# Altium PCB as_x31.PcbDoc (part 1 of 5) (continued)
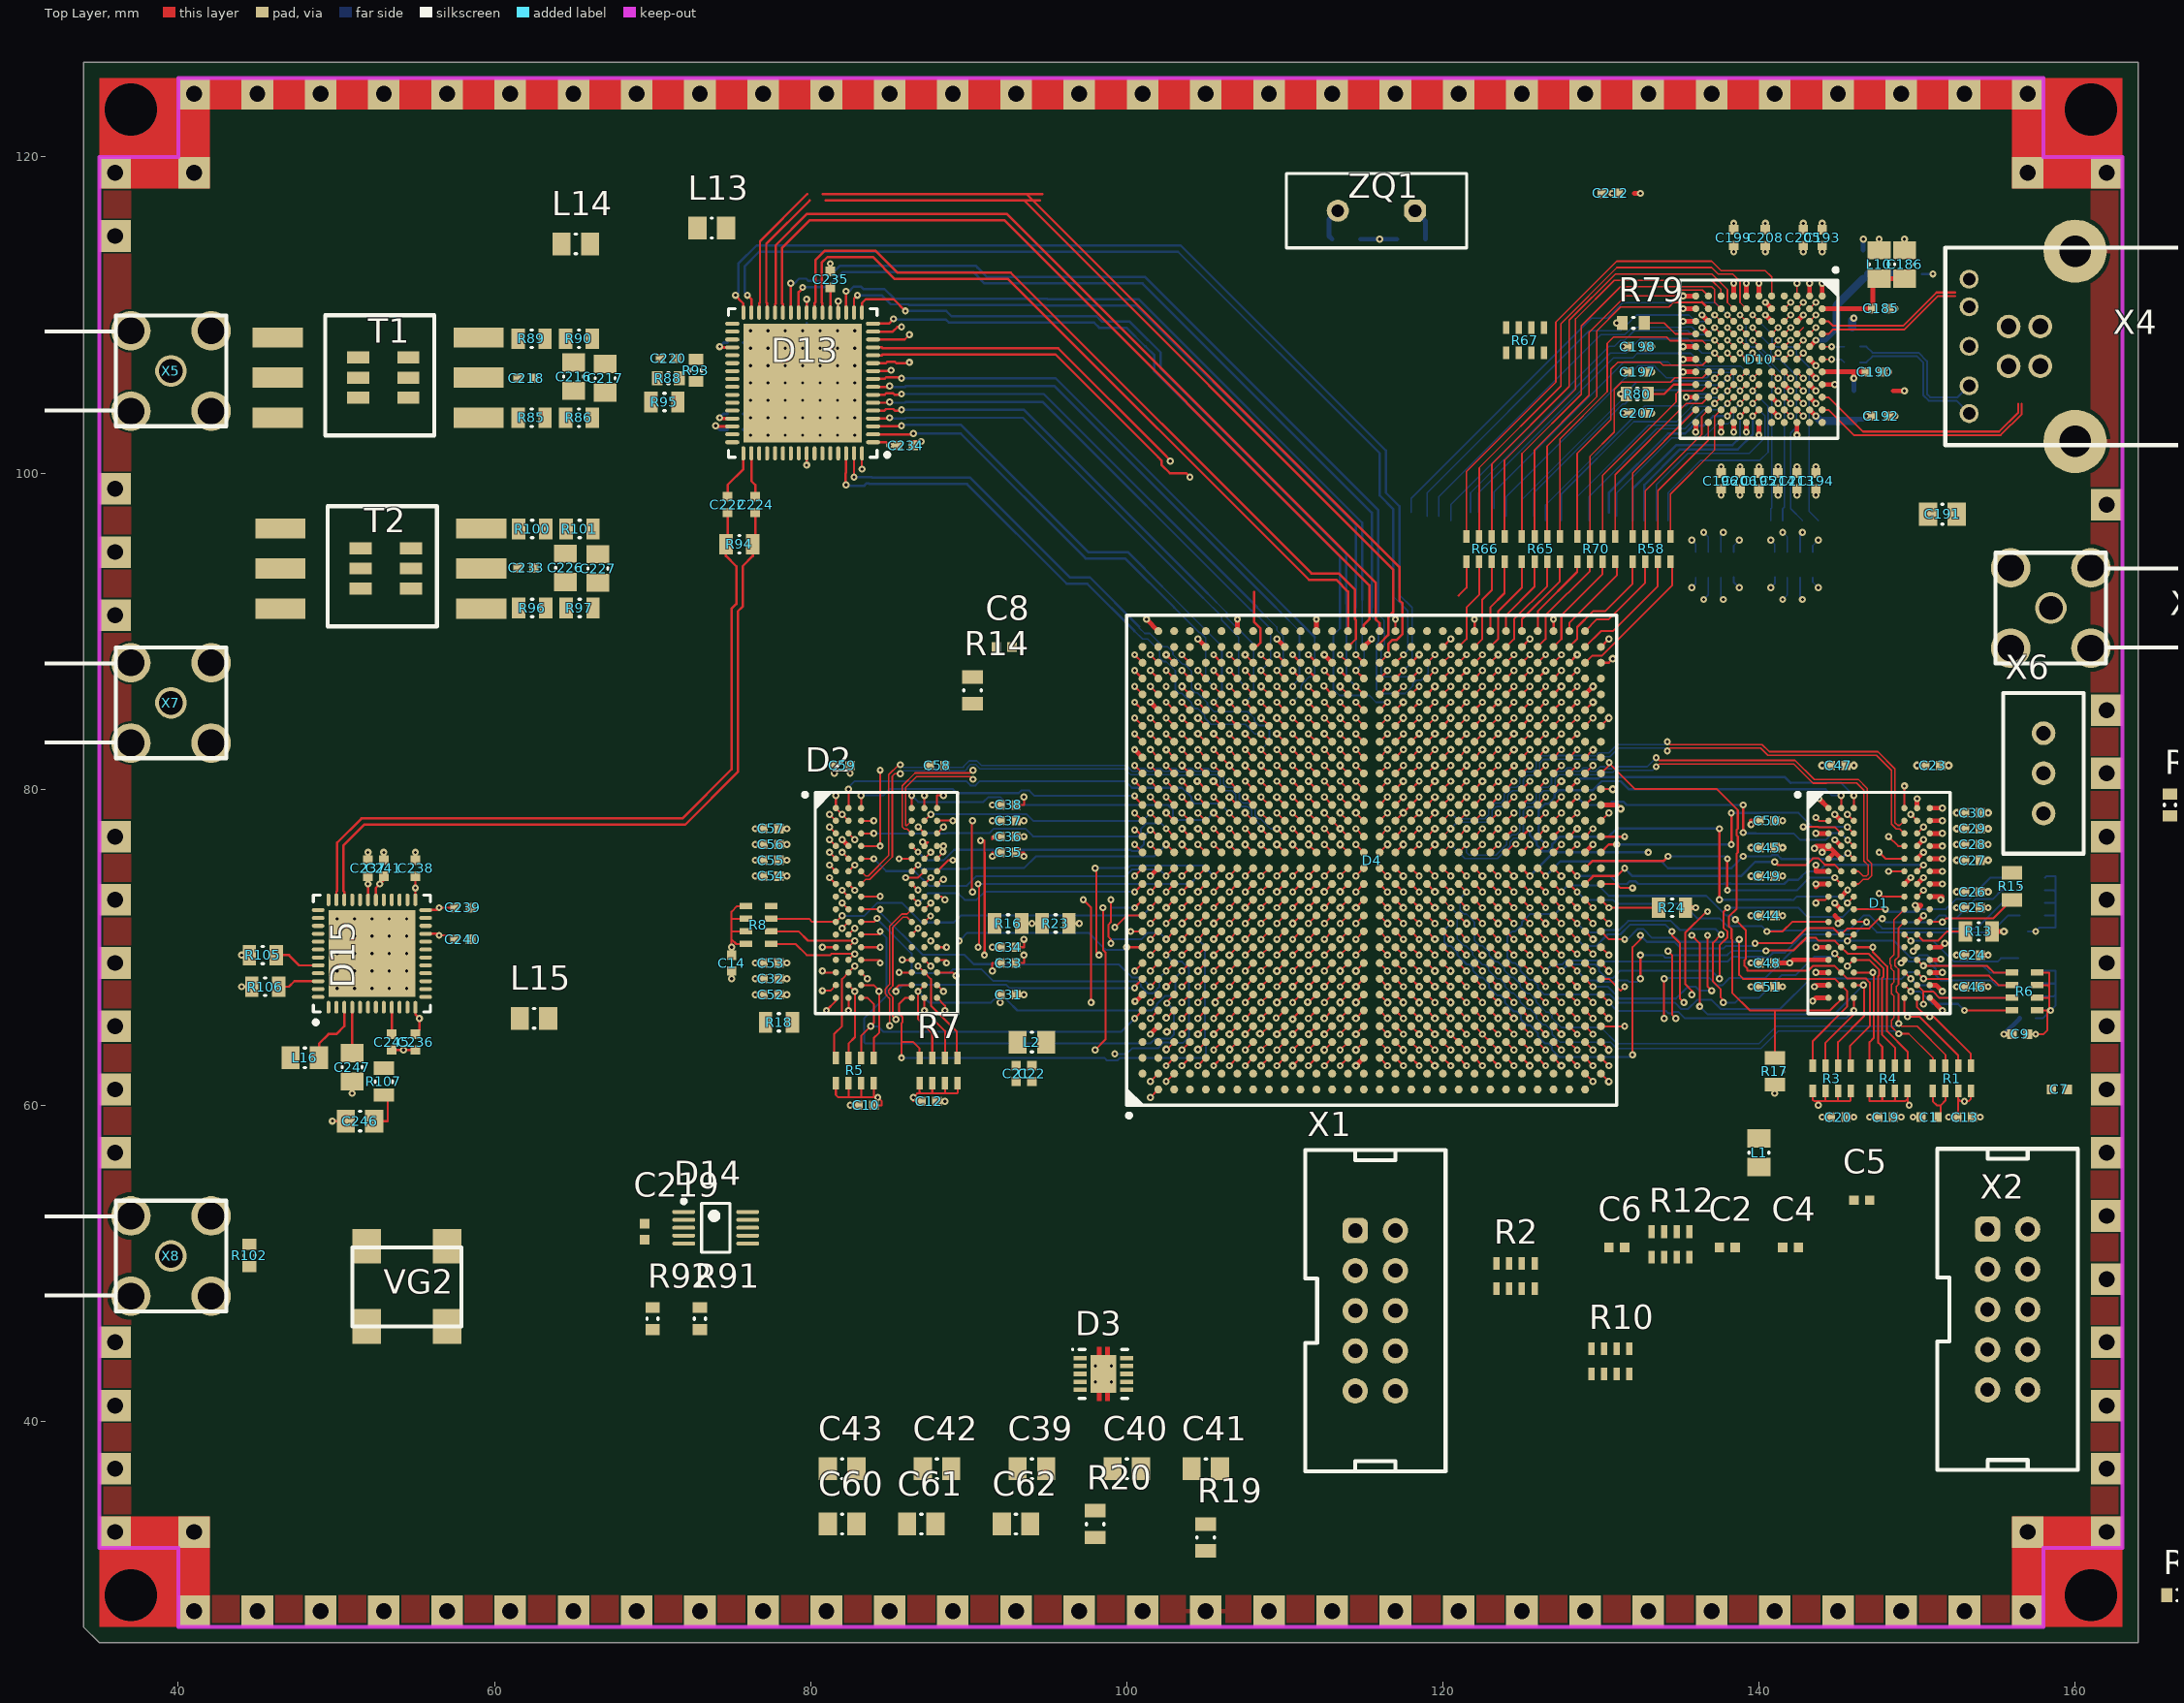
[diagram p0: Top Layer view]
## Classes and differential pairs (continued)
component class as14120_x31_usb: C179 C180 C181 C182 C183 C184 C185 C186 C187 C188 C189 C190 C191 C192 C193 C194 C195 C196 C197 C198 C199 C200 C201 C202 C203 C204 C205 C206 C207 C208 C209 C210 C211 C212 C213 C214 D10 D11 D12 L10 L11 L12 R57 R58 R59 R60 R61 R62 R63 R64 R65 R66 R67 R68 R69 R70 R71 R72 R73 R74 R75 R76 R77 R78 R79 R80 R81 R82 R83 R84 R108 R109 VG1 X4 ZQ1
differential pair class adc: D_ADC_CLK_ D_ADC_D0_ D_ADC_D1_ D_ADC_D2_ D_ADC_D3_ D_ADC_D4_ D_ADC_D5_ D_ADC_D6_ D_ADC_D7_ D_ADC_D8_ D_ADC_D9_ D_ADC_D10_ D_ADC_D11_ D_ADC_D12_ D_ADC_D13_ D_ADC_DCO_
net class power: 0V 0VA 12V V0P75D V1P1D V1P2D V1P5D V1P8A V1P8D V1P8DVDD V2P5D V3P3D VCC_AUX VCCPGM VREF VREFDDR0 VREFDDR1
component class "Room Definition 1": D4
component class "Room Definition 2": D10
differential pair SS_RX: +SS_RX_P -SS_RX_N
differential pair SS_TX: +SS_TX_P -SS_TX_N
differential pair USB: +USB_P -USB_N
differential pair D_USB_: +USB_P -USB_N
differential pair D_SS_TX_: +SS_TX_P -SS_TX_N
differential pair D_SS_RX_: +SS_RX_P -SS_RX_N
differential pair D_DDR1_DQS1_: +DDR1_DQS1_P -DDR1_DQS1_N
differential pair D_DDR1_DQS0_: +DDR1_DQS0_P -DDR1_DQS0_N
differential pair D_DDR1_CK_: +DDR1_CK_P -DDR1_CK_N
differential pair D_DDR0_DQS1_: +DDR0_DQS1_P -DDR0_DQS1_N
differential pair D_DDR0_DQS0_: +DDR0_DQS0_P -DDR0_DQS0_N
differential pair D_DDR0_CK_: +DDR0_CK_P -DDR0_CK_N
differential pair D_ADC_DCO_: +ADC_DCO_P -ADC_DCO_N
differential pair D_ADC_D13_: +ADC_D13_P -ADC_D13_N
differential pair D_ADC_D12_: +ADC_D12_P -ADC_D12_N
differential pair D_ADC_D11_: +ADC_D11_P -ADC_D11_N
differential pair D_ADC_D10_: +ADC_D10_P -ADC_D10_N
differential pair D_ADC_D9_: +ADC_D9_P -ADC_D9_N
differential pair D_ADC_D8_: +ADC_D8_P -ADC_D8_N
differential pair D_ADC_D7_: +ADC_D7_P -ADC_D7_N
differential pair D_ADC_D6_: +ADC_D6_P -ADC_D6_N
differential pair D_ADC_D5_: +ADC_D5_P -ADC_D5_N
differential pair D_ADC_D4_: +ADC_D4_P -ADC_D4_N
differential pair D_ADC_D3_: +ADC_D3_P -ADC_D3_N
differential pair D_ADC_D2_: +ADC_D2_P -ADC_D2_N
differential pair D_ADC_D1_: +ADC_D1_P -ADC_D1_N
differential pair D_ADC_D0_: +ADC_D0_P -ADC_D0_N
differential pair D_ADC_CLK_: +ADC_CLK_P -ADC_CLK_N

## Components (designator, comment, footprint, x,y, rotation, side; value= is the part's Value field where it differs from the comment)
C1 "CAP 1uF 10V 0402(1005)" CAPC0402(1005)60_M 150.75,59.25 r0 top
C2 "CAP 1uF 10V 0402(1005)" CAPC0402(1005)60_M 138,51 r0 top
C3 "CAP 1uF 10V 0402(1005)" CAPC0402(1005)60_M 156.5,71 r180 bottom
C4 "CAP 1uF 10V 0402(1005)" CAPC0402(1005)60_M 142,51 r0 top
C5 "CAP 1uF 10V 0402(1005)" CAPC0402(1005)60_M 146.5,54 r0 top
C6 "CAP 1uF 10V 0402(1005)" CAPC0402(1005)60_M 131,51 r0 top
C7 "CAP 1uF 10V 0402(1005)" CAPC0402(1005)60_M 159,61 r0 top
C8 "CAP 1uF 10V 0402(1005)" CAPC0402(1005)60_M 92.25,89 r0 top
C9 "CAP 1uF 10V 0402(1005)" CAPC0402(1005)60_M 156.5,64.5 r180 top
C10 "CAP 1uF 10V 0402(1005)" CAPC0402(1005)60_M 83.5,60 r180 top
C11 "CAP 1uF 10V 0402(1005)" CAPC0402(1005)60_M 157,65.5 r180 bottom
C12 "CAP 1uF 10V 0402(1005)" CAPC0402(1005)60_M 87.5,60.25 r0 top
C13 "CAP 1uF 10V 0402(1005)" CAPC0402(1005)60_M 153,59.25 r0 top
C14 "CAP 1uF 10V 0402(1005)" CAPC0402(1005)60_M 75,69 r270 top
C15 "CAP 1uF 10V 0402(1005)" CAPC0402(1005)60_M 134.5,20 r0 top
C16 "CAP 1uF 10V 0402(1005)" CAPC0402(1005)60_M 140.5,20 r0 top
C17 "CAP 1uF 10V 0402(1005)" CAPC0402(1005)60_M 123.5,20 r0 top
C18 "CAP 1uF 10V 0402(1005)" CAPC0402(1005)60_M 129.5,20 r0 top
C19 "CAP 1uF 10V 0402(1005)" CAPC0402(1005)60_M 148,59.25 r0 top
C20 "CAP 1uF 10V 0402(1005)" CAPC0402(1005)60_M 145,59.25 r180 top
C21 "CAP 1uF 10V 0402(1005)" CAPC0402(1005)60_M 93,62 r90 top
C22 "CAP 1uF 10V 0402(1005)" CAPC0402(1005)60_M 94,62 r90 top
C23 "CAP 1uF 10V 0402(1005)" CAPC0402(1005)60_M 151,81.5 r180 top
C24 "CAP 1uF 10V 0402(1005)" CAPC0402(1005)60_M 153.5,69.5 r180 top
C25 "CAP 1uF 10V 0402(1005)" CAPC0402(1005)60_M 153.5,72.5 r180 top
C26 "CAP 1uF 10V 0402(1005)" CAPC0402(1005)60_M 153.5,73.5 r180 top
C27 "CAP 1uF 10V 0402(1005)" CAPC0402(1005)60_M 153.5,75.5 r180 top
C28 "CAP 1uF 10V 0402(1005)" CAPC0402(1005)60_M 153.5,76.5 r180 top
C29 "CAP 1uF 10V 0402(1005)" CAPC0402(1005)60_M 153.5,77.5 r180 top
C30 "CAP 1uF 10V 0402(1005)" CAPC0402(1005)60_M 153.5,78.5 r180 top
C31 "CAP 1uF 10V 0402(1005)" CAPC0402(1005)60_M 92.5,67 r180 top
C32 "CAP 1uF 10V 0402(1005)" CAPC0402(1005)60_M 77.5,68 r0 top
C33 "CAP 1uF 10V 0402(1005)" CAPC0402(1005)60_M 92.5,69 r180 top
C34 "CAP 1uF 10V 0402(1005)" CAPC0402(1005)60_M 92.5,70 r180 top
C35 "CAP 1uF 10V 0402(1005)" CAPC0402(1005)60_M 92.5,76 r180 top
C36 "CAP 1uF 10V 0402(1005)" CAPC0402(1005)60_M 92.5,77 r180 top
C37 "CAP 1uF 10V 0402(1005)" CAPC0402(1005)60_M 92.5,78 r180 top
C38 "CAP 1uF 10V 0402(1005)" CAPC0402(1005)60_M 92.5,79 r180 top
C39 "CAP_0805" CAPC0805(2012)100_N 94,37 r0 top
C40 "CAP_0805" CAPC0805(2012)100_N 100,37 r0 top
C41 "CAP_0805" CAPC0805(2012)100_N 105,37 r0 top
C42 "CAP_0805" CAPC0805(2012)100_N 88,37 r0 top
C43 "CAP_0805" CAPC0805(2012)100_N 82,37 r0 top
C44 "CAP 1uF 10V 0402(1005)" CAPC0402(1005)60_M 140.5,72 r0 top
C45 "CAP 1uF 10V 0402(1005)" CAPC0402(1005)60_M 140.5,76.3 r0 top
C46 "CAP 1uF 10V 0402(1005)" CAPC0402(1005)60_M 153.5,67.5 r180 top
C47 "CAP 1uF 10V 0402(1005)" CAPC0402(1005)60_M 145,81.5 r180 top
C48 "CAP 1uF 10V 0402(1005)" CAPC0402(1005)60_M 140.5,69 r0 top
C49 "CAP 1uF 10V 0402(1005)" CAPC0402(1005)60_M 140.5,74.5 r0 top
C50 "CAP 1uF 10V 0402(1005)" CAPC0402(1005)60_M 140.5,78 r0 top
C51 "CAP 1uF 10V 0402(1005)" CAPC0402(1005)60_M 140.5,67.5 r0 top
C52 "CAP 1uF 10V 0402(1005)" CAPC0402(1005)60_M 77.5,67 r0 top
C53 "CAP 1uF 10V 0402(1005)" CAPC0402(1005)60_M 77.5,69 r0 top
C54 "CAP 1uF 10V 0402(1005)" CAPC0402(1005)60_M 77.5,74.5 r180 top
C55 "CAP 1uF 10V 0402(1005)" CAPC0402(1005)60_M 77.5,75.5 r180 top
C56 "CAP 1uF 10V 0402(1005)" CAPC0402(1005)60_M 77.5,76.5 r180 top
C57 "CAP 1uF 10V 0402(1005)" CAPC0402(1005)60_M 77.5,77.5 r180 top
C58 "CAP 1uF 10V 0402(1005)" CAPC0402(1005)60_M 88,81.5 r180 top
C59 "CAP 1uF 10V 0402(1005)" CAPC0402(1005)60_M 82,81.5 r180 top
C60 "CAP_0805" CAPC0805(2012)100_N 82,33.5 r0 top
C61 "CAP_0805" CAPC0805(2012)100_N 87,33.5 r0 top
C62 "CAP_0805" CAPC0805(2012)100_N 93,33.5 r0 top
C63 "CAP 1uF 10V 0402(1005)" CAPC0402(1005)60_M 282.5,82.5 r90 top
C64 "CAP 1uF 10V 0402(1005)" CAPC0402(1005)60_M 201.25,75.5 r90 top
C65 "CAP 1uF 10V 0402(1005)" CAPC0402(1005)60_M 207.25,75.5 r90 top
C66 "CAP 1uF 10V 0402(1005)" CAPC0402(1005)60_M 212.25,75.5 r90 top
C67 "CAP 1uF 10V 0402(1005)" CAPC0402(1005)60_M 218.25,75.5 r90 top
C68 "CAP 1uF 10V 0402(1005)" CAPC0402(1005)60_M 224.25,75.5 r90 top
C69 "CAP 1uF 10V 0402(1005)" CAPC0402(1005)60_M 230.25,75.5 r90 top
C70 "CAP 1uF 10V 0402(1005)" CAPC0402(1005)60_M 236.25,75.5 r90 top
C71 "CAP 1uF 10V 0402(1005)" CAPC0402(1005)60_M 242.25,76.5 r0 top
C72 "CAP 1uF 10V 0402(1005)" CAPC0402(1005)60_M 247.25,75.5 r90 top
C73 "CAP 1uF 10V 0402(1005)" CAPC0402(1005)60_M 253.25,75.5 r90 top
C74 "CAP 1uF 10V 0402(1005)" CAPC0402(1005)60_M 259.25,75.5 r90 top
C75 "CAP 1uF 10V 0402(1005)" CAPC0402(1005)60_M 213.5,82.5 r90 top
C76 "CAP 1uF 10V 0402(1005)" CAPC0402(1005)60_M 219.5,82.5 r90 top
C77 "CAP 1uF 10V 0402(1005)" CAPC0402(1005)60_M 225.5,82.5 r90 top
C78 "CAP 1uF 10V 0402(1005)" CAPC0402(1005)60_M 230.5,82.5 r90 top
C79 "CAP 1uF 10V 0402(1005)" CAPC0402(1005)60_M 236.5,82.5 r90 top
C80 "CAP 1uF 10V 0402(1005)" CAPC0402(1005)60_M 242.5,82.5 r90 top
C81 "CAP 1uF 10V 0402(1005)" CAPC0402(1005)60_M 248.5,83.5 r0 top
C82 "CAP 1uF 10V 0402(1005)" CAPC0402(1005)60_M 274.75,89 r90 top
C83 "CAP 1uF 10V 0402(1005)" CAPC0402(1005)60_M 280.75,89 r90 top
C84 "CAP 1uF 10V 0402(1005)" CAPC0402(1005)60_M 286.75,89 r90 top
C85 "CAP 1uF 10V 0402(1005)" CAPC0402(1005)60_M 196.5,82.5 r90 top
C86 "CAP 1uF 10V 0402(1005)" CAPC0402(1005)60_M 202.5,82.5 r90 top
C87 "CAP 1uF 10V 0402(1005)" CAPC0402(1005)60_M 228.75,89 r90 top
C88 "CAP 1uF 10V 0402(1005)" CAPC0402(1005)60_M 233.75,89 r90 top
C89 "CAP 1uF 10V 0402(1005)" CAPC0402(1005)60_M 239.75,89 r90 top
C90 "CAP 1uF 10V 0402(1005)" CAPC0402(1005)60_M 245.75,89 r90 top
C91 "CAP 1uF 10V 0402(1005)" CAPC0402(1005)60_M 252.75,90 r0 top
C92 "CAP 1uF 10V 0402(1005)" CAPC0402(1005)60_M 256.75,89 r90 top
C93 "CAP 1uF 10V 0402(1005)" CAPC0402(1005)60_M 262.75,89 r90 top
C94 "CAP 1uF 10V 0402(1005)" CAPC0402(1005)60_M 268.75,89 r90 top
C95 "CAP 1uF 10V 0402(1005)" CAPC0402(1005)60_M 211.75,89 r90 top
C96 "CAP 1uF 10V 0402(1005)" CAPC0402(1005)60_M 217.75,89 r90 top
C97 "CAP 1uF 10V 0402(1005)" CAPC0402(1005)60_M 249,97.25 r90 top
C98 "CAP 1uF 10V 0402(1005)" CAPC0402(1005)60_M 192.75,89 r90 top
C99 "CAP 1uF 10V 0402(1005)" CAPC0402(1005)60_M 198.75,89 r90 top
C100 "CAP 1uF 10V 0402(1005)" CAPC0402(1005)60_M 204.75,89 r90 top
C101 "CAP 1uF 10V 0402(1005)" CAPC0402(1005)60_M 221,97.25 r90 top
C102 "CAP 1uF 10V 0402(1005)" CAPC0402(1005)60_M 227,97.25 r90 top
C103 "CAP 1uF 10V 0402(1005)" CAPC0402(1005)60_M 234,97.25 r90 top
C104 "CAP 1uF 10V 0402(1005)" CAPC0402(1005)60_M 241,97.25 r90 top
C105 "CAP 1uF 10V 0402(1005)" CAPC0402(1005)60_M 192,97.25 r90 top
C106 "CAP 1uF 10V 0402(1005)" CAPC0402(1005)60_M 199,97.25 r90 top
C107 "CAP 1uF 10V 0402(1005)" CAPC0402(1005)60_M 206,97.25 r90 top
C108 "CAP 1uF 10V 0402(1005)" CAPC0402(1005)60_M 213,97.25 r90 top
C109 "CAP 1uF 10V 0402(1005)" CAPC0402(1005)60_M 276.25,104 r90 top
C110 "CAP 1uF 10V 0402(1005)" CAPC0402(1005)60_M 283.25,104 r90 top
C111 "CAP 1uF 10V 0402(1005)" CAPC0402(1005)60_M 228.25,104 r90 top
C112 "CAP 1uF 10V 0402(1005)" CAPC0402(1005)60_M 235.25,104 r90 top
C113 "CAP 1uF 10V 0402(1005)" CAPC0402(1005)60_M 242.25,104 r90 top
C114 "CAP 1uF 10V 0402(1005)" CAPC0402(1005)60_M 248.25,104 r90 top
C115 "CAP 1uF 10V 0402(1005)" CAPC0402(1005)60_M 255.25,104 r90 top
C116 "CAP 1uF 10V 0402(1005)" CAPC0402(1005)60_M 262.25,104 r90 top
C117 "CAP 1uF 10V 0402(1005)" CAPC0402(1005)60_M 269.25,104 r90 top
C118 "CAP 1uF 10V 0402(1005)" CAPC0402(1005)60_M 215.25,104 r90 top
C119 "CAP 1uF 10V 0402(1005)" CAPC0402(1005)60_M 222.25,104 r90 top
C120 "CAP 1uF 10V 0402(1005)" CAPC0402(1005)60_M 201.25,104 r90 top
C121 "CAP 1uF 10V 0402(1005)" CAPC0402(1005)60_M 208.25,104 r90 top
C122 "CAP 1uF 10V 0402(1005)" CAPC0402(1005)60_M 251,112 r90 top
C123 "CAP 1uF 10V 0402(1005)" CAPC0402(1005)60_M 258,112 r90 top
C124 "CAP 1uF 10V 0402(1005)" CAPC0402(1005)60_M 265,112 r90 top
C125 "CAP 1uF 10V 0402(1005)" CAPC0402(1005)60_M 272,112 r90 top
C126 "CAP 1uF 10V 0402(1005)" CAPC0402(1005)60_M 279,112 r90 top
C127 "CAP 1uF 10V 0402(1005)" CAPC0402(1005)60_M 287,112 r90 top
C128 "CAP 1uF 10V 0402(1005)" CAPC0402(1005)60_M 180.25,104 r90 top
C129 "CAP 1uF 10V 0402(1005)" CAPC0402(1005)60_M 187.25,104 r90 top
C130 "CAP 1uF 10V 0402(1005)" CAPC0402(1005)60_M 194.25,104 r90 top
C131 "CAP 1uF 10V 0402(1005)" CAPC0402(1005)60_M 223,112 r90 top
C132 "CAP 1uF 10V 0402(1005)" CAPC0402(1005)60_M 230,112 r90 top
C133 "CAP 1uF 10V 0402(1005)" CAPC0402(1005)60_M 237,112 r90 top
C134 "CAP 1uF 10V 0402(1005)" CAPC0402(1005)60_M 244,112 r90 top
C135 "CAP 1uF 10V 0402(1005)" CAPC0402(1005)60_M 195,112 r90 top
C136 "CAP 1uF 10V 0402(1005)" CAPC0402(1005)60_M 202,112 r90 top
C137 "CAP 1uF 10V 0402(1005)" CAPC0402(1005)60_M 209,112 r90 top
C138 "CAP 1uF 10V 0402(1005)" CAPC0402(1005)60_M 216,112 r90 top
C139 "CAP 1uF 10V 0402(1005)" CAPC0402(1005)60_M 177,118 r90 top
C140 "CAP 1uF 10V 0402(1005)" CAPC0402(1005)60_M 174,112 r90 top
C141 "CAP 1uF 10V 0402(1005)" CAPC0402(1005)60_M 181,112 r90 top
C142 "CAP 1uF 10V 0402(1005)" CAPC0402(1005)60_M 188,112 r90 top
C143 "AVX_D" AVX_D 563,164 r90 top
C144 "CAP_0805" CAPC0805(2012)100_N 527,171 r90 top
C145 "CAP_0805" CAPC0805(2012)100_N 534,171 r90 top
C146 "CAP_0805" CAPC0805(2012)100_N 541,171 r90 top
C147 "CAP_0805" CAPC0805(2012)100_N 548,171 r90 top
C148 "CAP_0805" CAPC0805(2012)100_N 555,171 r90 top
C149 "avx_b" avx_b 513,168 r90 top
C150 "avx_b" avx_b 520,168 r90 top
C151 "CAP_0805" CAPC0805(2012)100_N 491,171 r90 top
C152 "AVX_D" AVX_D 485,164 r90 top
C153 "avx_b" avx_b 441,168 r90 top
C154 "avx_b" avx_b 448,168 r90 top
C155 "avx_b" avx_b 455,168 r90 top
C156 "avx_b" avx_b 426,168 r90 top
C157 "CAP_0805" CAPC0805(2012)100_N 397,171 r90 top
C158 "CAP_0805" CAPC0805(2012)100_N 404,171 r90 top
C159 "CAP_0805" CAPC0805(2012)100_N 411,171 r90 top
C160 "CAP_0805" CAPC0805(2012)100_N 418,171 r90 top
C161 "CAP_0805" CAPC0805(2012)100_N 384,171 r90 top
C162 "CAP_0805" CAPC0805(2012)100_N 370,171 r90 top
C163 "CAP_0805" CAPC0805(2012)100_N 377,171 r90 top
C164 "CAP_0805" CAPC0805(2012)100_N 332,171 r90 top
C165 "CAP_0805" CAPC0805(2012)100_N 339,171 r90 top
C166 "CAP_0805" CAPC0805(2012)100_N 325,171 r90 top
C167 "CAP_0805" CAPC0805(2012)100_N 299,171 r90 top
C168 "avx_b" avx_b 286,168 r90 top
C169 "avx_b" avx_b 293,168 r90 top
C170 "CAP_0805" CAPC0805(2012)100_N 264,171 r90 top
C171 "CAP_0805" CAPC0805(2012)100_N 250,171 r90 top
C172 "CAP_0805" CAPC0805(2012)100_N 256,171 r90 top
C173 "avx_b" avx_b 211,168 r90 top
C174 "avx_b" avx_b 218,168 r90 top
C175 "avx_b" avx_b 225,168 r90 top
C176 "avx_b" avx_b 232,168 r90 top
C177 "CAP_0805" CAPC0805(2012)100_N 203,171 r90 top
C178 "CAP_0805" CAPC0805(2012)100_N 182,168 r90 top
C179 "CAP 1uF 10V 0402(1005)" CAPC0402(1005)60_M 577.5,183.5 r90 top
C180 "CAP 1uF 10V 0402(1005)" CAPC0402(1005)60_M 145.9,108 r180 bottom
C181 "CAP 1uF 10V 0402(1005)" CAPC0402(1005)60_M 145.9,107 r180 bottom
C182 "CAP_0805" CAPC0805(2012)100_N 118,114.8 r0 bottom
C183 "CAP_0805" CAPC0805(2012)100_N 113.9,114.8 r180 bottom
C184 "CAP_0805" CAPC0805(2012)100_N 427,196 r90 top
C185 "CAP 1uF 10V 0402(1005)" CAPC0402(1005)60_M 147.7,110.4 r180 top
C186 "CAP_0805" CAPC0805(2012)100_N 149.2,113.2 r270 top
C187 "CAP 1uF 10V 0402(1005)" CAPC0402(1005)60_M 394,196 r90 top
C188 "CAP 1uF 10V 0402(1005)" CAPC0402(1005)60_M 145.4,109.2 r180 bottom
C189 "CAP_0805" CAPC0805(2012)100_N 149.4,112.6 r180 bottom
C190 "CAP 1uF 10V 0402(1005)" CAPC0402(1005)60_M 147.3,106.4 r180 top
C191 "CAP_0805" CAPC0805(2012)100_N 151.6,97.4 r180 top
C192 "CAP 1uF 10V 0402(1005)" CAPC0402(1005)60_M 147.7,103.6 r180 top
C193 "CAP 1uF 10V 0402(1005)" CAPC0402(1005)60_M 144,114.9 r270 top
C194 "CAP 1uF 10V 0402(1005)" CAPC0402(1005)60_M 143.6,99.5 r90 top
C195 "CAP 1uF 10V 0402(1005)" CAPC0402(1005)60_M 140,99.5 r90 top
C196 "CAP 1uF 10V 0402(1005)" CAPC0402(1005)60_M 137.6,99.5 r90 top
C197 "CAP 1uF 10V 0402(1005)" CAPC0402(1005)60_M 132.3,106.4 r0 top
C198 "CAP 1uF 10V 0402(1005)" CAPC0402(1005)60_M 132.3,108 r0 top
C199 "CAP 1uF 10V 0402(1005)" CAPC0402(1005)60_M 138.4,114.9 r270 top
C200 "CAP 1uF 10V 0402(1005)" CAPC0402(1005)60_M 323,196 r90 top
C201 "CAP 1uF 10V 0402(1005)" CAPC0402(1005)60_M 331,196 r90 top
C202 "CAP 1uF 10V 0402(1005)" CAPC0402(1005)60_M 239,196 r90 top
C203 "CAP 1uF 10V 0402(1005)" CAPC0402(1005)60_M 246,196 r90 top
C204 "CAP 1uF 10V 0402(1005)" CAPC0402(1005)60_M 253,196 r90 top
C205 "CAP 1uF 10V 0402(1005)" CAPC0402(1005)60_M 142.8,114.9 r270 top
C206 "CAP 1uF 10V 0402(1005)" CAPC0402(1005)60_M 138.8,99.5 r90 top
C207 "CAP 1uF 10V 0402(1005)" CAPC0402(1005)60_M 132.3,103.8 r0 top
C208 "CAP 1uF 10V 0402(1005)" CAPC0402(1005)60_M 140.4,114.9 r270 top
C209 "CAP 1uF 10V 0402(1005)" CAPC0402(1005)60_M 133.2,129.6 r90 top
C210 "CAP 1uF 10V 0402(1005)" CAPC0402(1005)60_M 141.2,129.6 r90 top
C211 "CAP 1uF 10V 0402(1005)" CAPC0402(1005)60_M 148.2,129.6 r90 top
C212 "CAP 1uF 10V 0402(1005)" CAPC0402(1005)60_M 130.6,117.7 r180 top
C213 "CAP 1uF 10V 0402(1005)" CAPC0402(1005)60_M 142.4,99.5 r90 top
C214 "CAP 1uF 10V 0402(1005)" CAPC0402(1005)60_M 141.2,99.5 r90 top
C215 "CAP 1uF 10V 0402(1005)" CAPC0402(1005)60_M 41.5,106.5 r0 bottom
C216 "CAP_0805" CAPC0805(2012)100_N 65,106.1 r270 top
C217 "CAP_0805" CAPC0805(2012)100_N 67,106 r270 top
C218 "CAP 1uF 10V 0402(1005)" CAPC0402(1005)60_M 62,106 r0 top
C219 "CAP 1uF 10V 0402(1005)" CAPC0402(1005)60_M 69.5,52 r90 top
C220 "CAP 1uF 10V 0402(1005)" CAPC0402(1005)60_M 71,107.25 r180 top
C221 "CAP 1uF 10V 0402(1005)" CAPC0402(1005)60_M 138,141.5 r90 top
C222 "CAP 1uF 10V 0402(1005)" CAPC0402(1005)60_M 74.75,98 r90 top
C223 "CAP 1uF 10V 0402(1005)" CAPC0402(1005)60_M 116,141.5 r90 top
C224 "CAP 1uF 10V 0402(1005)" CAPC0402(1005)60_M 76.5,98 r90 top
C225 "CAP 1uF 10V 0402(1005)" CAPC0402(1005)60_M 41.54,85.46 r0 bottom
C226 "CAP_0805" CAPC0805(2012)100_N 64.5,94 r270 top
C227 "CAP_0805" CAPC0805(2012)100_N 66.54,93.96 r270 top
C228 "CAP 1uF 10V 0402(1005)" CAPC0402(1005)60_M 79.75,110 r90 bottom
C229 "CAP 1uF 10V 0402(1005)" CAPC0402(1005)60_M 79.75,101.5 r270 bottom
C230 "CAP 1uF 10V 0402(1005)" CAPC0402(1005)60_M 75.25,108.25 r180 bottom
C231 "CAP 1uF 10V 0402(1005)" CAPC0402(1005)60_M 75.25,102.75 r180 bottom
C232 "CAP 1uF 10V 0402(1005)" CAPC0402(1005)60_M 75.25,103.75 r180 bottom
C233 "CAP 1uF 10V 0402(1005)" CAPC0402(1005)60_M 62,94 r0 top
C234 "CAP 1uF 10V 0402(1005)" CAPC0402(1005)60_M 86,101.75 r180 top
C235 "CAP 1uF 10V 0402(1005)" CAPC0402(1005)60_M 81.25,112.25 r270 top
C236 "CAP 1uF 10V 0402(1005)" CAPC0402(1005)60_M 55,64 r90 top
C237 "CAP 1uF 10V 0402(1005)" CAPC0402(1005)60_M 52,75 r270 top
C238 "CAP 1uF 10V 0402(1005)" CAPC0402(1005)60_M 55,75 r270 top
C239 "CAP 1uF 10V 0402(1005)" CAPC0402(1005)60_M 58,72.5 r180 top
C240 "CAP 1uF 10V 0402(1005)" CAPC0402(1005)60_M 58,70.5 r180 top
C241 "CAP 1uF 10V 0402(1005)" CAPC0402(1005)60_M 53,75 r270 top
C242 "CAP 1uF 10V 0402(1005)" CAPC0402(1005)60_M 39.5,52.5 r90 bottom
C243 "CAP 1uF 10V 0402(1005)" CAPC0402(1005)60_M 50,66.5 r270 bottom
C244 "CAP 1uF 10V 0402(1005)" CAPC0402(1005)60_M 51,66.5 r270 bottom
C245 "CAP 1uF 10V 0402(1005)" CAPC0402(1005)60_M 53.5,64 r90 top
C246 "CAP_0805" CAPC0805(2012)100_N 51.5,59 r0 top
C247 "CAP_0805" CAPC0805(2012)100_N 51,62.4 r90 top
D1 "MT41J256M16HA-125" MICT-HA-96 147.6,72.8 r0 top
D2 "MT41J256M16HA-125" MICT-HA-96 84.8,72.8 r0 top
D3 "TPS51200DRCT" TI-DRC10-2400X1650TP_V 98.525,43 r0 top
D4 "5CEFA7F31C8N" ALTR-896-FBGA-2000A 115.5,75.5 r90 top
D5 "SN65HVD78" 8S1_M 199,148 r0 top
D6 "LTC3615EFE#PBF" LT-FE-24-EPV-AA_N 603,169 r0 top
D7 "TPS54620RGYR" RGY14-2050X2050TP 587,171 r0 top
D8 "TPS54620RGYR" RGY14-2050X2050TP 315,171 r0 top
D9 "ADP1741" CP-16-4_N 309,170 r0 top
D10 "CYUSB3014" BGA121C80P11X11 140,107.2 r270 top
D11 "AT24C64(soic)" 8S1_N 478,194 r0 top
D12 "ADP1741" CP-16-4_N 441,195 r0 top
D13 "AD9640ABCPZ-125" CP-64-6_N 79.5,105.7 r180 top
D14 "AD5322ARM" RM-10_L 74,52.25 r0 top
D15 "AD9517-4ABCPZ" ADI-CP-48-8_L 52.25,69.6 r90 top
L1 "BLM21PG300SN1D" CAPC0805(2012)100_N 140,57 r90 top
L2 "BLM21PG300SN1D" CAPC0805(2012)100_N 94,64 r0 top
L3 "BLM21PG300SN1D" CAPC0805(2012)100_N 265.25,76.5 r0 top
L4 "BLM21PG300SN1D" CAPC0805(2012)100_N 209.5,83.5 r0 top
L5 "BLM21PG300SN1D" CAPC0805(2012)100_N 224.75,90 r0 top
L6 "IND_Sumida_CDRH3D16" IND_Sumida_CDRH3D16 168.486,173.865 r0 top
L7 "ind_cdr127_sumida" IND_CDR127_Sumida 504,165 r0 top
L8 "IND_Sumida_CDRH3D16" IND_Sumida_CDRH3D16 434,170 r0 top
L9 "ind_cdr127_sumida" IND_CDR127_Sumida 276,165 r0 top
L10 "BLM21PG300SN1D" CAPC0805(2012)100_N 147.6,113.2 r270 top
L11 "BLM21PG300SN1D" CAPC0805(2012)100_N 146.6,113.2 r270 bottom
L12 "BLM21PG300SN1D" CAPC0805(2012)100_N 146,104.2 r90 bottom
L13 "BLM21PG300SN1D" CAPC0805(2012)100_N 73.75,115.5 r0 top
L14 "BLM21PG300SN1D" CAPC0805(2012)100_N 65.15,114.5 r0 top
L15 "BLM21PG300SN1D" CAPC0805(2012)100_N 62.5,65.5 r0 top
L16 "BLM21PG300SN1D" CAPC0805(2012)100_N 48,63 r180 top
R1 "51" CAY16 151,61.7 r0 top
R2 "51" CAY16 123.4,49.2 r0 top
R3 "51" CAY16 143.4,61.7 r0 top
R4 "51" CAY16 147,61.7 r0 top
R5 "51" CAY16 81.6,62.2 r0 top
R6 "51" CAY16 156.8,66 r90 top
R7 "51" CAY16 86.9,62.2 r0 top
R8 "51" CAY16 76.7,72.6 r270 top
R9 "51" CAY16 157.2,69.3 r270 bottom
R10 "51" CAY16 129.4,43.8 r0 top
R11 "51" CAY16 157.3,74.4 r270 bottom
R12 "51" CAY16 133.2,51.2 r0 top
R13 "1K 1% 0805(2012)" RESC0805(2012)_L 153.9,71 r0 top
R14 "1K 1% 0805(2012)" RESC0805(2012)_L 90.25,86.25 r90 top
R15 "1K 1% 0805(2012)" RESC0805(2012)_L 156,73.85 r270 top
R16 "1K 1% 0805(2012)" RESC0805(2012)_L 92.5,71.5 r180 top
R17 "1K 1% 0805(2012)" RESC0805(2012)_L 141,62.15 r90 top
R18 "1K 1% 0805(2012)" RESC0805(2012)_L 78,65.25 r0 top
R19 "1K 1% 0805(2012)" RESC0805(2012)_L 105,32.65 r90 top
R20 "1K 1% 0805(2012)" RESC0805(2012)_L 98,33.5 r90 top
R22 "240" RESC0603(1608)_L 166,79 r90 top
R23 "1K 1% 0805(2012)" RESC0805(2012)_L 95.5,71.5 r180 top
R24 "1K 1% 0805(2012)" RESC0805(2012)_L 134.5,72.5 r0 top
R25 "1K 5% 0603(1608)" RESC0603(1608)_L 269.25,75.5 r90 top
R26 "1K 5% 0603(1608)" RESC0603(1608)_L 275.25,75.5 r90 top
R27 "1K 5% 0603(1608)" RESC0603(1608)_L 281.25,75.5 r90 top
R28 "1K 5% 0603(1608)" RESC0603(1608)_L 276.5,82.5 r90 top
R29 "1K 5% 0603(1608)" RESC0603(1608)_L 270.5,82.5 r90 top
R30 "1K 5% 0603(1608)" RESC0603(1608)_L 253.5,82.5 r90 top
R31 "1K 5% 0603(1608)" RESC0603(1608)_L 259.5,82.5 r90 top
R32 "1K 5% 0603(1608)" RESC0603(1608)_L 264.5,82.5 r90 top
R33 "1K 5% 0603(1608)" RESC0603(1608)_L 290.25,104 r90 top
R34 "1K 1% 0805(2012)" RESC0805(2012)_L 205,149 r90 top
R35 "1K 1% 0805(2012)" RESC0805(2012)_L 190,149 r90 top
R36 "1K 1% 0805(2012)" RESC0805(2012)_L 184,149 r90 top
R37 "1K 1% 0805(2012)" RESC0805(2012)_L 178,149 r90 top
R38 "1K 1% 0805(2012)" RESC0805(2012)_L 172,149 r90 top
R39 "1K 1% 0805(2012)" RESC0805(2012)_L 167,149 r90 top
R40 "1K 1% 0805(2012)" RESC0805(2012)_L 478,172 r90 top
R41 "1K 1% 0805(2012)" RESC0805(2012)_L 473,172 r0 top
R42 "1K 1% 0805(2012)" RESC0805(2012)_L 467,172 r90 top
R43 "1K 1% 0805(2012)" RESC0805(2012)_L 461,172 r90 top
R44 "1K 1% 0805(2012)" RESC0805(2012)_L 391,172 r90 top
R45 "1K 1% 0805(2012)" RESC0805(2012)_L 364,172 r90 top
R46 "1K 1% 0805(2012)" RESC0805(2012)_L 358,172 r90 top
R47 "1K 1% 0805(2012)" RESC0805(2012)_L 352,172 r90 top
R48 "1K 1% 0805(2012)" RESC0805(2012)_L 346,172 r90 top
R49 "1K 1% 0805(2012)" RESC0805(2012)_L 319,172 r90 top
R50 "1K 1% 0805(2012)" RESC0805(2012)_L 244,172 r90 top
R51 "1K 1% 0805(2012)" RESC0805(2012)_L 239,172 r0 top
R52 "1K 1% 0805(2012)" RESC0805(2012)_L 197,172 r90 top
R53 "1K 1% 0805(2012)" RESC0805(2012)_L 191,172 r90 top
R54 "1K 1% 0805(2012)" RESC0805(2012)_L 185,172 r90 top
R55 "1K 1% 0805(2012)" RESC0805(2012)_L 179,172 r90 top
R56 "1K 5% 0603(1608)" RESC0603(1608)_L 173,172 r90 top
R57 "1K 1% 0805(2012)" RESC0805(2012)_L 602.5,183.5 r90 top
R58 "22" CAY16 132,95.2 r0 top
R59 "1K 5% 0603(1608)" RESC0603(1608)_L 559.5,183.5 r90 top
R60 "???" RESC0603(1608)_L 547.5,183.5 r90 top
R61 "1K 5% 0603(1608)" RESC0603(1608)_L 542.5,183.5 r90 top
R62 "1K 5% 0603(1608)" RESC0603(1608)_L 530.5,183.5 r90 top
R63 "22" CAY16 130.9,95.2 r180 bottom
R64 "22" CAY16 127.4,95.2 r180 bottom
R65 "22" CAY16 125,95.2 r0 top
R66 "22" CAY16 121.5,95.2 r0 top
R67 "Value" CAY16 124,108.4 r0 top
R68 "1K 1% 0805(2012)" RESC0805(2012)_L 519,196 r90 top
R69 "22" CAY16 134.4,95.2 r180 bottom
R70 "22" CAY16 128.5,95.2 r0 top
R71 "22" CAY16 123.9,95.2 r180 bottom
R72 "22" CAY16 120.4,95.2 r180 bottom
R73 "22" CAY16 143.4,94.2 r180 bottom
R74 "22" CAY16 138.4,94.2 r180 bottom
R75 "1K 5% 0603(1608)" RESC0603(1608)_L 463,196 r90 top
R76 "1K 5% 0603(1608)" RESC0603(1608)_L 469,196 r90 top
R77 "1K 5% 0603(1608)" RESC0603(1608)_L 139.5,115 r90 bottom
R78 "1K 5% 0603(1608)" RESC0603(1608)_L 137.5,115 r90 bottom
R79 "1K 5% 0603(1608)" RESC0603(1608)_L 132.05,109.5 r180 top
R80 "1K 5% 0603(1608)" RESC0603(1608)_L 132.3,105 r180 top
R81 "1K 5% 0603(1608)" RESC0603(1608)_L 420,196 r90 top
R82 "1K 1% 0805(2012)" RESC0805(2012)_L 388,196 r90 top
R83 "1K 1% 0805(2012)" RESC0805(2012)_L 357,196 r90 top
R84 "1K 5% 0603(1608)" RESC0603(1608)_L 260,196 r90 top
R85 "1K 1% 0805(2012)" RESC0805(2012)_L 62.35,103.5 r180 top
R86 "1K 1% 0805(2012)" RESC0805(2012)_L 65.35,103.5 r180 top
R87 "1K 1% 0805(2012)" RESC0805(2012)_L 43.5,106.35 r90 bottom
R88 "1K 5% 0603(1608)" RESC0603(1608)_L 71,106 r0 top
R89 "1K 1% 0805(2012)" RESC0805(2012)_L 62.35,108.5 r180 top
R90 "1K 1% 0805(2012)" RESC0805(2012)_L 65.35,108.5 r180 top
R91 "1k" RESC0603(1608)_L 73,46.5 r90 top
R92 "1k" RESC0603(1608)_L 70,46.5 r90 top
R93 "1K 5% 0603(1608)" RESC0603(1608)_L 72.75,106.5 r90 top
R94 "100" RESC0805(2012)_L 75.5,95.5 r180 top
R95 "10k 1%" RESC0805(2012)_L 70.75,104.5 r180 top
R96 "1K 1% 0805(2012)" RESC0805(2012)_L 62.39,91.46 r180 top
R97 "1K 1% 0805(2012)" RESC0805(2012)_L 65.39,91.46 r180 top
R98 "1K 1% 0805(2012)" RESC0805(2012)_L 43.54,85.46 r90 bottom
R99 "000" RESC0603(1608)_L 81,94 r90 bottom
R100 "1K 1% 0805(2012)" RESC0805(2012)_L 62.39,96.46 r180 top
R101 "1K 1% 0805(2012)" RESC0805(2012)_L 65.39,96.46 r180 top
R102 "1K 5% 0603(1608)" RESC0603(1608)_L 44.5,50.5 r270 top
R103 "1K 1% 0805(2012)" RESC0805(2012)_L 42,55.5 r0 bottom
R104 "1K 1% 0805(2012)" RESC0805(2012)_L 39,55.5 r0 bottom
R105 "1K 1% 0805(2012)" RESC0805(2012)_L 45.35,69.5 r180 top
R106 "1K 1% 0805(2012)" RESC0805(2012)_L 45.5,67.5 r180 top
R107 "1K 1% 0805(2012)" RESC0805(2012)_L 53,61.5 r270 top
R108 "1K 5% 0603(1608)" RESC0603(1608)_L 524,196 r90 top
R109 "1K 1% 0805(2012)" RESC0805(2012)_L 530,196 r90 top
R? "240" RESC0603(1608)_L 166.5,29 r0 top
T1 "TT1-6" TT!-6-KK81 46.3,108.58 r270 top
T2 "TT1-6" TT!-6-KK81 46.46,96.5 r270 top
VD1 "30BQ60" SMC 572,168 r90 top
VD2 "BAV99" SO-G3/X.9 40.55,57.65 r0 bottom
VG1 "kxo-v97" kxo-v97 542,191 r0 top
VG2 "kxo-v97" kxo-v97 51.92,46 r0 top
X1 "IDC10" IDC10M 114.46,52.08 r90 top
X2 "IDC10" IDC10M 154.46,52.16 r90 top
X3 "sma" sma 158.46,91.46 r180 top
X4 "USB_3_B" USB3_B 153.29,108.02 r90 top
X5 "sma" sma 39.54,106.46 r0 top
X6 "HU-3" HU-3 158,78.46 r90 top
X7 "sma" sma 39.54,85.46 r0 top
X8 "sma" sma 39.54,50.46 r0 top
ZQ1 "Resonator" BCY-W2/E4.7 115.8,116.6 r180 top

## Footprints (in the part's own frame and the unit in brackets; to place one, negate y for a bottom-side part, rotate by r counter-clockwise, add the part's x,y. Pads: shape width x height; smd on the part's side, far side on the other; paste and mask are expansions set on the pad)
8S1_M [mm] "SOIC, 8-Leads, Body 4.9x3.9mm, Pitch 1.27mm, IPC Low Density"
  oval 2.5x0.7 smd: 1(-2.45,1.905) 2(-2.45,0.635) 3(-2.45,-0.635) 4(-2.45,-1.905) 5(2.45,-1.905) 6(2.45,-0.635) 7(2.45,0.635) 8(2.45,1.905)
  silkscreen extent -2.57,-2.55 0.8,2.93, body extent -1.99,-2.52 1.99,2.52, height 1.75
8S1_N [mm] "SOIC, 8-Leads, Body 4.9x3.9mm, Pitch 1.27mm, IPC Medium Density"
  oval 2.2x0.6 smd: 1(-2.4,1.905) 2(-2.4,0.635) 3(-2.4,-0.635) 4(-2.4,-1.905) 5(2.4,-1.905) 6(2.4,-0.635) 7(2.4,0.635) 8(2.4,1.905)
  silkscreen extent -2.52,-2.55 0.9,2.88, body extent -1.99,-2.52 1.99,2.52, height 1.75
ADI-CP-48-8_L [mm] "QFN, 48-Leads, Body 7x7mm, Pitch 0.5mm, Thermal Pad 5.5x5.5mm, IPC High Density"
  oval 0.8x0.25 smd: 1(-3.4,2.75) 2(-3.4,2.25) 3(-3.4,1.75) 4(-3.4,1.25) 5(-3.4,0.75) 6(-3.4,0.25) 7(-3.4,-0.25) 8(-3.4,-0.75) 9(-3.4,-1.25) 10(-3.4,-1.75) 11(-3.4,-2.25) 12(-3.4,-2.75) 25(3.4,-2.75) 26(3.4,-2.25) 27(3.4,-1.75) 28(3.4,-1.25) 29(3.4,-0.75) 30(3.4,-0.25) 31(3.4,0.25) 32(3.4,0.75) 33(3.4,1.25) 34(3.4,1.75) 35(3.4,2.25) 36(3.4,2.75)
  oval 0.25x0.8 smd: 13(-2.75,-3.4) 14(-2.25,-3.4) 15(-1.75,-3.4) 16(-1.25,-3.4) 17(-0.75,-3.4) 18(-0.25,-3.4) 19(0.25,-3.4) 20(0.75,-3.4) 21(1.25,-3.4) 22(1.75,-3.4) 23(2.25,-3.4) 24(2.75,-3.4) 37(2.75,3.4) 38(2.25,3.4) 39(1.75,3.4) 40(1.25,3.4) 41(0.75,3.4) 42(0.25,3.4) 43(-0.25,3.4) 44(-0.75,3.4) 45(-1.25,3.4) 46(-1.75,3.4) 47(-2.25,3.4) 48(-2.75,3.4)
  rect 5.5x5.5 smd: 49(0,0)
  silkscreen extent -4.47,-3.7 3.7,3.7, body extent -3.55,-3.55 3.55,3.55, height 1